# KiCad board flex_right_mod.kicad_pcb
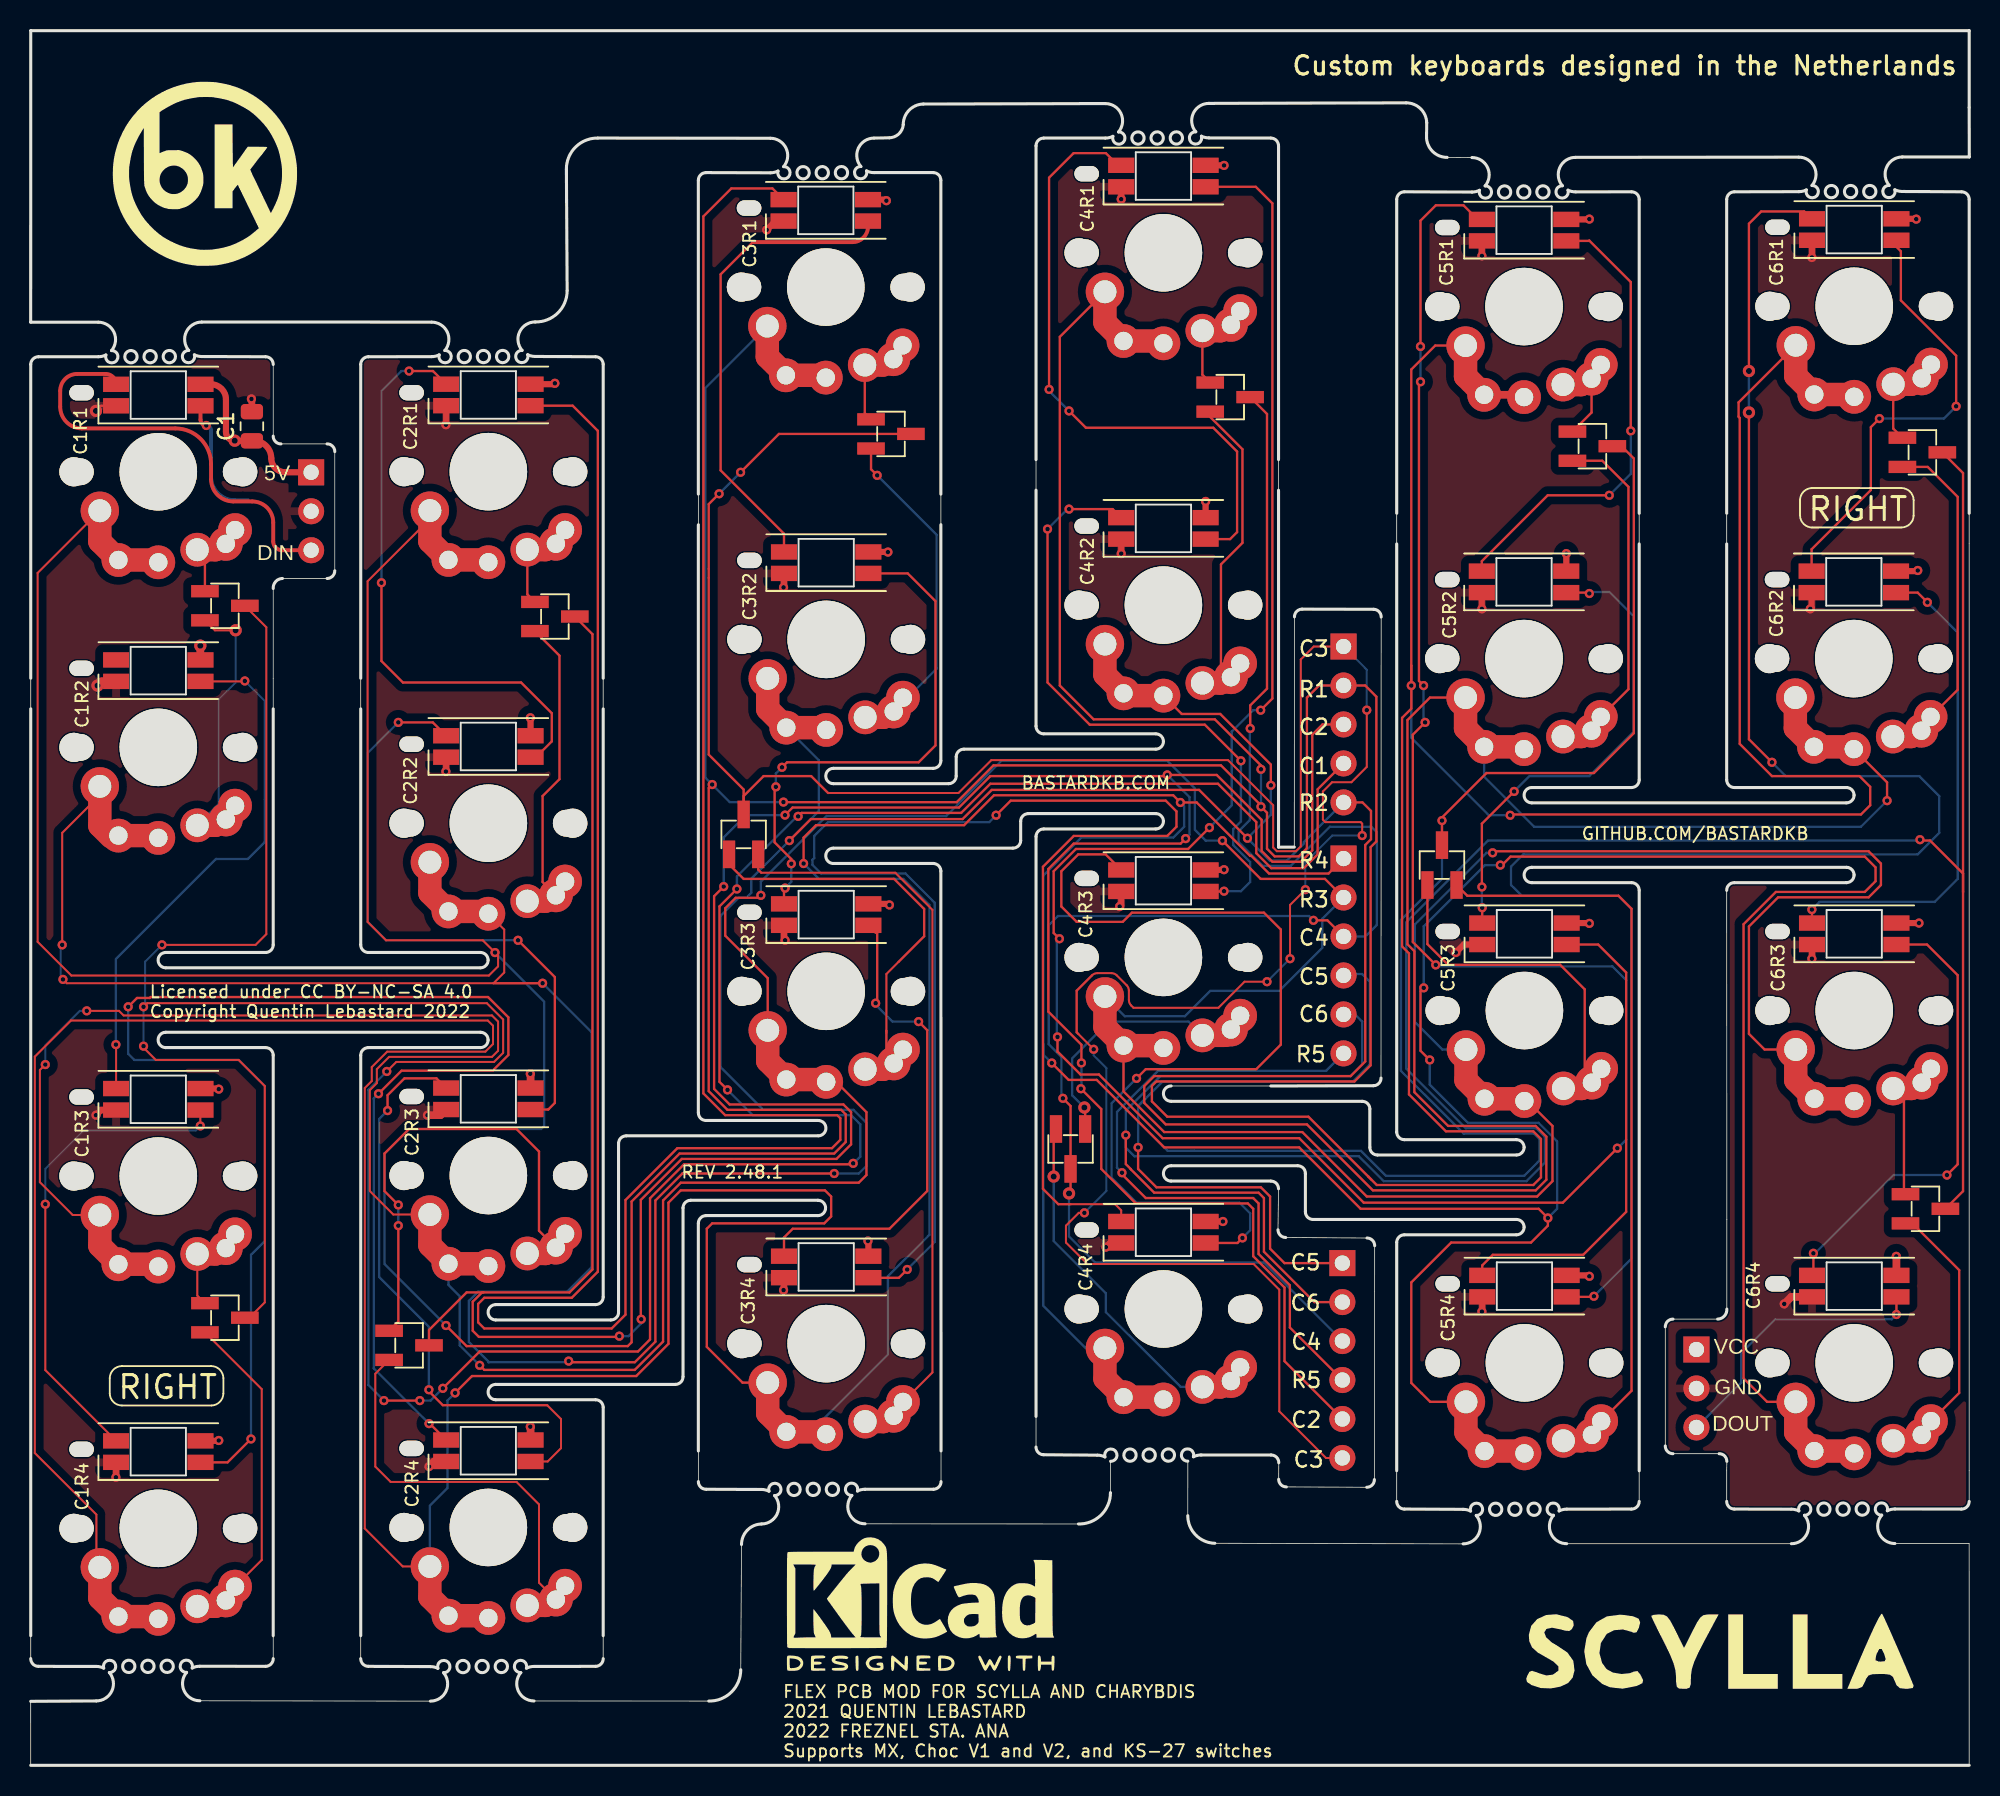
[diagram p0: board, top side]
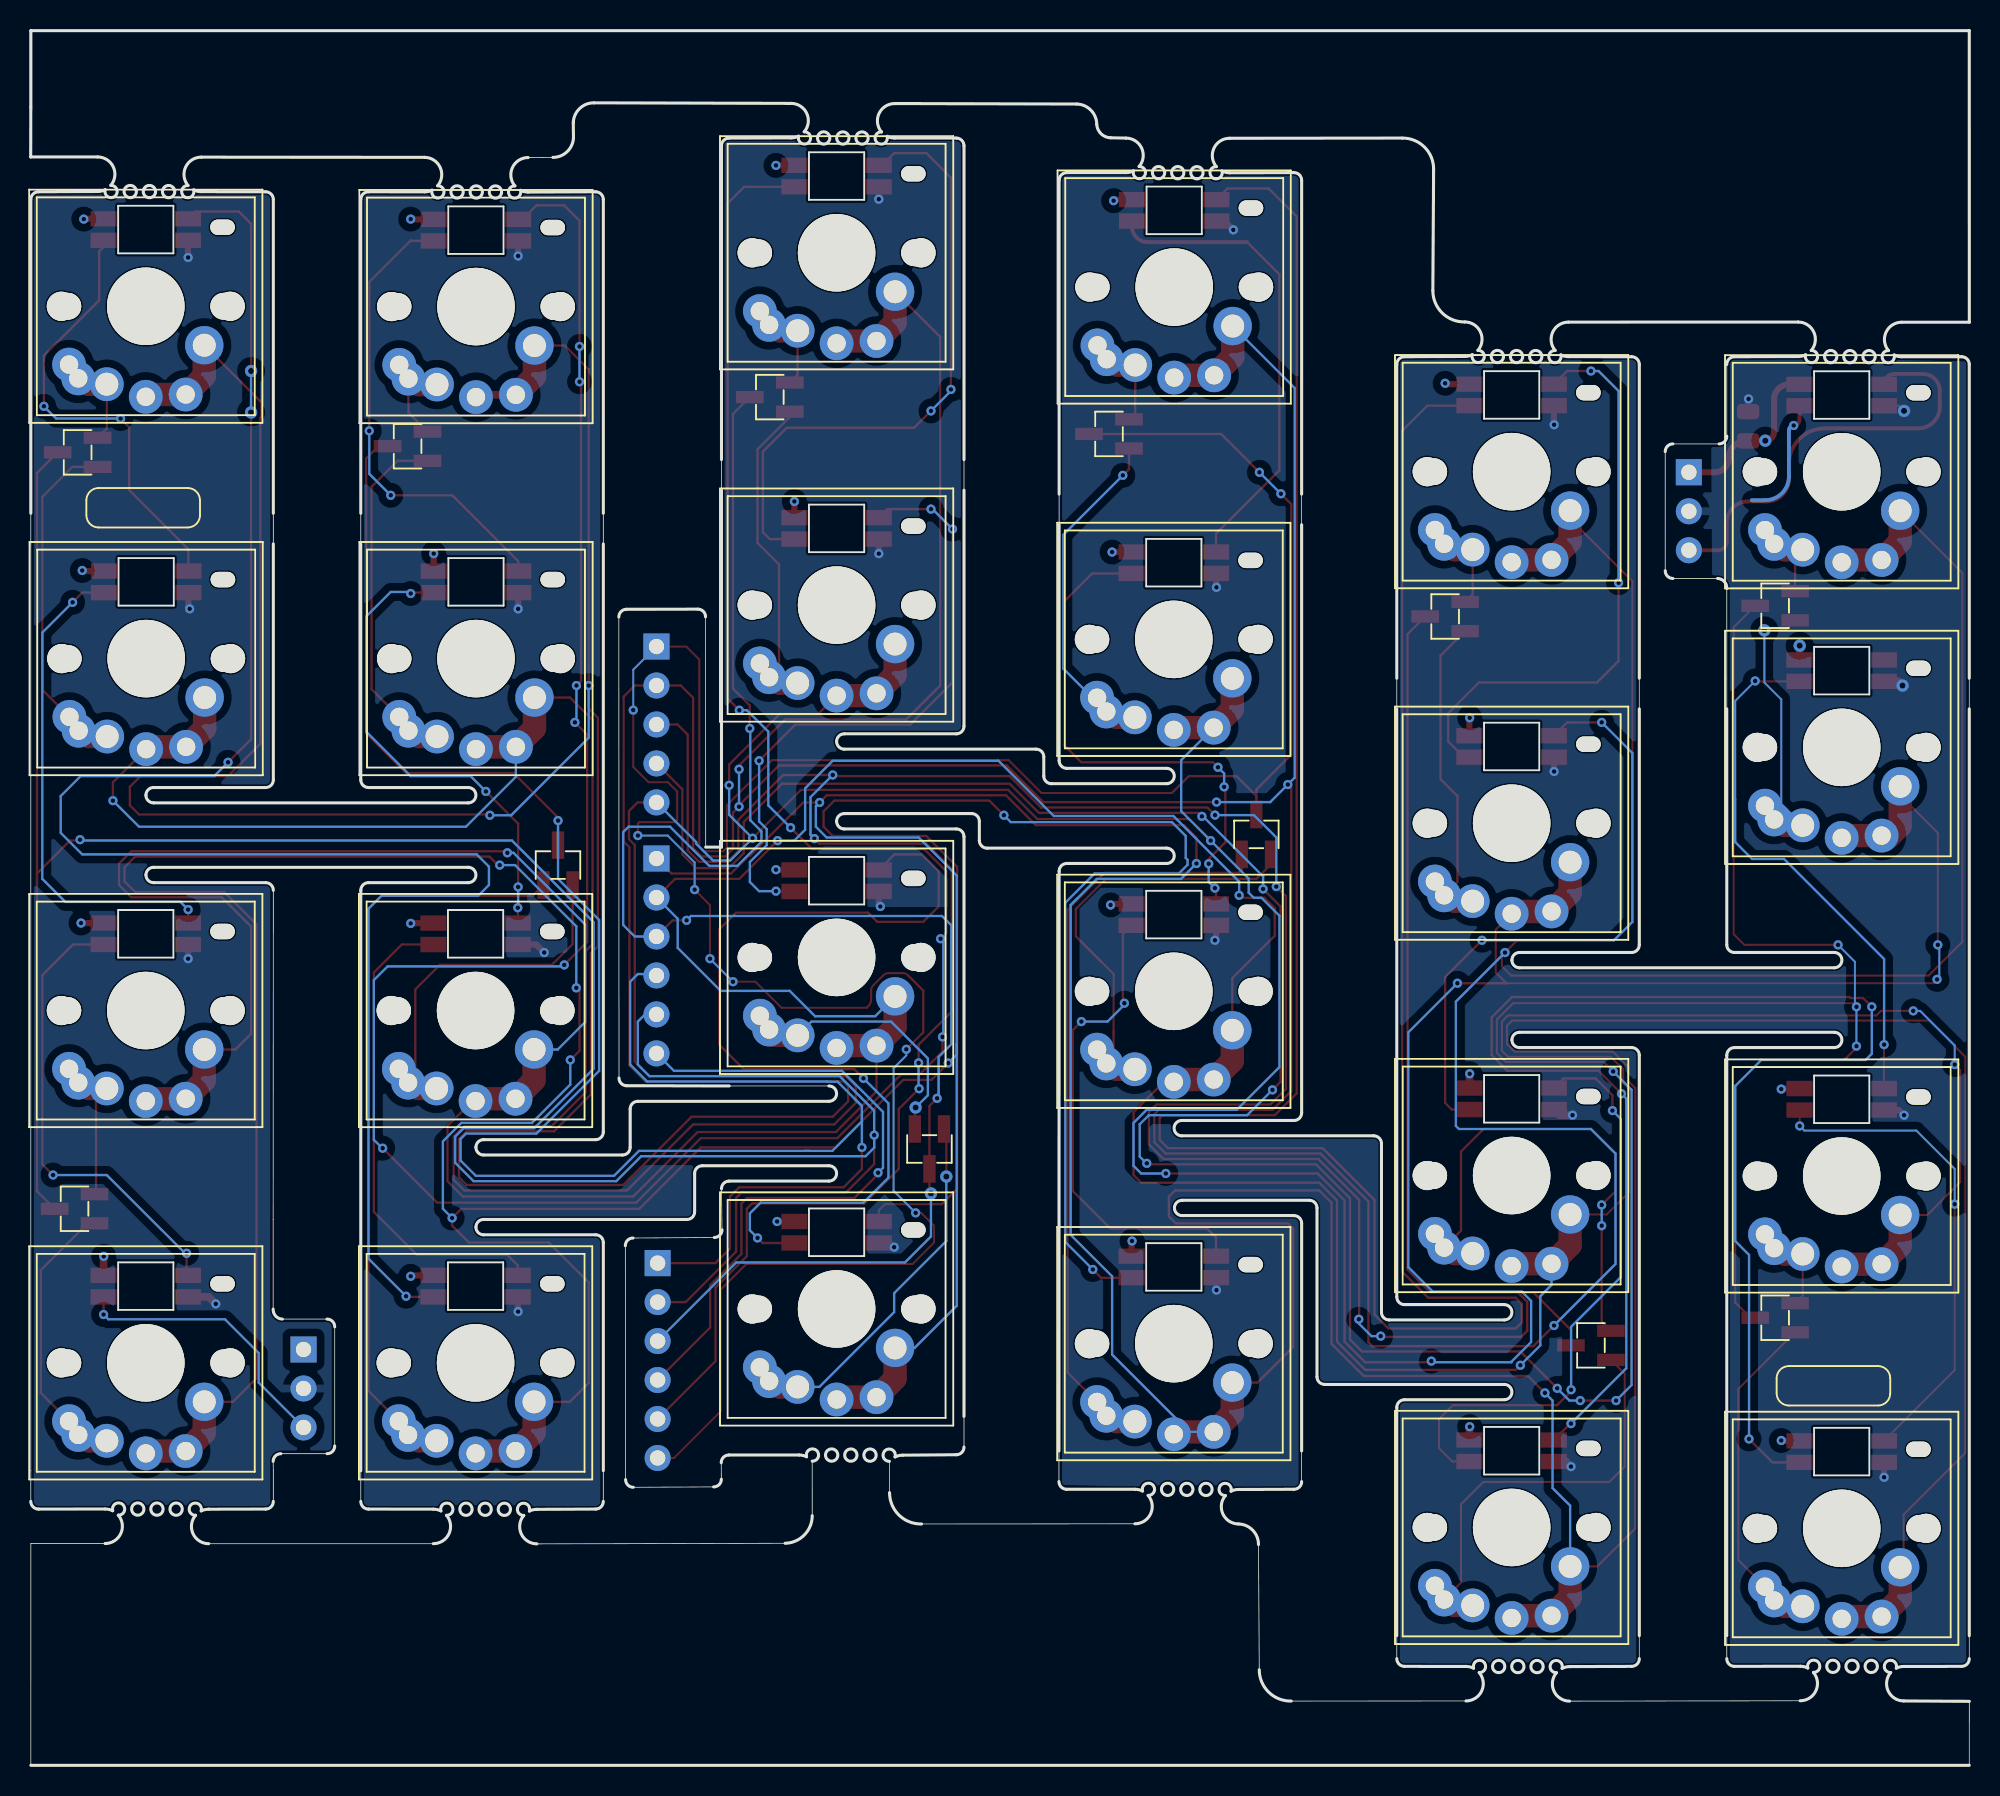
[diagram p1: board, bottom side, seen from below]

Outline 126.31 x 113.05 mm; copper layers: Top, In1.Cu, In2.Cu, Bottom. Coordinates in mm from the lower left corner of the outline.
Outline path: circle c6.39,6.45 r0.4 ; circle c6.53,91.8 r0.4 ; circle c7.64,6.45 r0.4 ; circle c7.78,91.81 r0.4 ; circle c8.3,38.39 r2.2 ; circle c8.3,84.3 r2.2 ; circle c8.3,15.45 r2.2 ; circle c8.31,66.34 r2.2 ; circle c8.89,6.45 r0.4 ; circle c9.03,91.81 r0.4 ; circle c28.16,6.44 r0.4 ; circle c28.25,91.81 r0.4 ; circle c29.41,6.44 r0.4 ; circle c29.5,91.81 r0.4 ; circle c29.8,84.3 r2.2 ; circle c29.8,61.35 r2.2 ; circle c29.8,15.45 r2.2 ; circle c29.81,38.4 r2.2 ; circle c30.66,6.44 r0.4 ; circle c30.75,91.81 r0.4 ; circle c49.73,17.98 r0.4 ; circle c50.33,103.79 r0.4 ; circle c50.98,17.98 r0.4 ; circle c51.58,103.79 r0.4 ; circle c51.8,96.3 r2.2 ; circle c51.8,73.35 r2.2 ; circle c51.8,50.4 r2.2 ; circle c51.8,27.45 r2.2 ; circle c52.23,17.99 r0.4 ; circle c52.83,103.8 r0.4 ; circle c71.62,20.22 r0.4 ; circle c72.14,106.05 r0.4 ; circle c72.87,20.22 r0.4 ; circle c73.39,106.06 r0.4 ; circle c73.8,98.55 r2.2 ; circle c73.8,75.6 r2.2 ; circle c73.8,52.65 r2.2 ; circle c73.8,29.7 r2.2 ; circle c74.12,20.22 r0.4 ; circle c74.64,106.06 r0.4 ; circle c95.45,16.69 r0.4 ; circle c96.03,102.54 r0.4 ; circle c96.7,16.69 r0.4 ; circle c97.28,102.54 r0.4 ; circle c97.3,95.05 r2.2 ; circle c97.3,72.1 r2.2 ; circle c97.3,49.15 r2.2 ; circle c97.3,26.2 r2.2 ; circle c97.95,16.69 r0.4 ; circle c98.53,102.54 r0.4 ; circle c116.83,16.7 r0.4 ; circle c117.33,102.56 r0.4 ; circle c118.08,16.7 r0.4 ; circle c118.58,102.56 r0.4 ; circle c118.8,95.05 r2.2 ; circle c118.8,72.1 r2.2 ; circle c118.8,49.15 r2.2 ; circle c118.8,26.2 r2.2 ; circle c119.33,16.7 r0.4 ; circle c119.83,102.57 r0.4 ; 0,94.05 4.4,94.05 arc(5.42,93.4) 5.27,92.2 arc(5.53,91.49) 4.9,91.91 arc(4.66,91.83) 4.41,91.8 0.5,91.8 arc(0.15,91.65) 0,91.3 0,68.85 0,6.95 arc(0.15,6.6) 0.5,6.45 4.27,6.44 arc(4.52,6.42) 4.76,6.33 arc(5.39,6.76) 5.13,6.05 arc(5.29,4.85) 4.27,4.19 0,4.17 0,0 126.3,0 126.3,14.45 121.46,14.45 arc(120.44,15.1) 120.6,16.3 arc(120.34,17.02) 120.97,16.59 arc(121.21,16.68) 121.46,16.7 125.8,16.7 arc(126.16,16.85) 126.3,17.2 126.3,102.05 arc(126.16,102.4) 125.8,102.55 121.95,102.57 arc(121.7,102.6) 121.46,102.68 arc(120.83,102.25) 121.09,102.97 arc(120.93,104.17) 121.95,104.82 126.31,104.82 126.3,108.05 126.3,113.05 0,113.05 0,94.05 ; 8.8,52.97 15.3,52.97 arc(15.66,53.12) 15.8,53.47 15.8,68.85 15.8,76.7 arc(15.96,77.15) 16.4,77.35 19.31,77.35 arc(19.67,77.5) 19.81,77.85 19.81,85.62 arc(19.67,85.97) 19.31,86.12 16.3,86.12 arc(15.95,86.27) 15.8,86.62 15.8,91.3 arc(15.66,91.65) 15.3,91.8 11.16,91.81 arc(10.9,91.84) 10.67,91.92 arc(10.04,91.49) 10.3,92.21 arc(10.13,93.41) 11.15,94.06 26.12,94.06 arc(27.14,93.41) 26.98,92.21 arc(27.25,91.49) 26.62,91.92 arc(26.38,91.84) 26.13,91.81 22,91.8 arc(21.65,91.65) 21.5,91.3 21.5,68.85 21.5,53.47 arc(21.65,53.12) 22,52.97 29.3,52.97 arc(29.66,52.83) 29.8,52.47 arc(29.66,52.12) 29.3,51.97 8.8,51.97 arc(8.3,52.47) 8.8,52.97 ; 8.8,46.78 arc(8.3,47.27) 8.8,47.77 29.3,47.77 arc(29.66,47.63) 29.8,47.27 arc(29.66,46.92) 29.3,46.77 22,46.77 arc(21.65,46.63) 21.5,46.27 21.5,6.95 arc(21.65,6.6) 22,6.45 26.04,6.43 arc(26.29,6.4) 26.53,6.32 arc(27.16,6.75) 26.9,6.03 arc(27.06,4.84) 26.04,4.18 11.02,4.21 arc(10,4.86) 10.16,6.06 arc(9.89,6.77) 10.52,6.34 arc(10.76,6.43) 11.01,6.46 15.3,6.45 arc(15.66,6.6) 15.8,6.95 15.8,46.27 arc(15.66,46.63) 15.3,46.77 8.8,46.77 ; 30.3,30.03 36.8,30.02 arc(37.16,30.17) 37.3,30.52 37.3,70.85 37.3,91.3 arc(37.16,91.65) 36.8,91.8 32.87,91.82 arc(32.62,91.85) 32.38,91.93 arc(31.75,91.5) 32.01,92.22 arc(31.85,93.42) 32.87,94.07 arc(34.34,94.65) 34.95,96.11 34.9,104.03 arc(35.5,105.47) 36.95,106.05 48.2,106.04 arc(49.22,105.39) 49.06,104.19 arc(49.32,103.47) 48.69,103.9 arc(48.45,103.82) 48.2,103.79 44,103.8 arc(43.65,103.65) 43.5,103.3 43.5,80.85 43.5,42.52 arc(43.65,42.17) 44,42.03 51.31,42.02 arc(51.81,41.52) 51.31,41.02 38.8,41.02 arc(38.45,40.88) 38.3,40.52 38.3,29.53 arc(38.16,29.17) 37.8,29.03 30.3,29.02 arc(29.8,29.53) 30.3,30.03 ; 30.3,23.83 arc(29.8,24.33) 30.3,24.83 42,24.83 arc(42.36,24.97) 42.5,25.33 42.5,36.32 arc(42.65,36.68) 43,36.82 51.29,36.82 arc(51.79,36.32) 51.29,35.82 44,35.82 arc(43.65,35.68) 43.5,35.32 43.5,18.49 arc(43.65,18.14) 44,17.99 47.61,17.98 arc(47.86,17.95) 48.1,17.87 arc(48.73,18.3) 48.47,17.58 arc(48.63,16.38) 47.61,15.73 arc(46.69,15.32) 46.31,14.39 46.26,6.23 arc(45.65,4.77) 44.18,4.19 32.79,4.19 arc(31.77,4.84) 31.93,6.04 arc(31.67,6.76) 32.3,6.33 arc(32.54,6.42) 32.79,6.44 36.8,6.45 arc(37.16,6.6) 37.3,6.95 37.3,23.33 arc(37.16,23.68) 36.8,23.83 30.3,23.83 ; 52.3,64.97 58.8,64.97 arc(59.16,65.12) 59.3,65.47 59.3,103.3 arc(59.16,103.65) 58.8,103.8 54.95,103.8 arc(54.7,103.83) 54.46,103.91 arc(53.83,103.48) 54.09,104.2 arc(53.93,105.4) 54.95,106.05 55.95,106.07 arc(56.57,106.33) 56.85,106.93 arc(57.23,107.86) 58.15,108.27 70.02,108.3 arc(71.04,107.65) 70.88,106.45 arc(71.14,105.74) 70.51,106.16 arc(70.27,106.08) 70.02,106.05 66,106.05 arc(65.65,105.9) 65.5,105.55 65.5,67.72 arc(65.65,67.37) 66,67.22 73.3,67.22 arc(73.66,67.08) 73.8,66.72 arc(73.66,66.37) 73.3,66.22 60.8,66.22 arc(60.45,66.08) 60.3,65.72 60.3,64.47 arc(60.16,64.12) 59.8,63.97 52.3,63.97 arc(51.8,64.47) 52.3,64.97 ; 52.3,58.77 arc(51.8,59.27) 52.3,59.77 64,59.77 arc(64.36,59.92) 64.5,60.27 64.5,61.52 arc(64.65,61.88) 65,62.02 73.3,62.02 arc(73.66,61.88) 73.8,61.52 arc(73.66,61.17) 73.3,61.02 66,61.02 arc(65.65,60.88) 65.5,60.52 65.5,20.74 arc(65.65,20.39) 66,20.24 69.5,20.21 arc(69.75,20.18) 69.99,20.1 arc(70.62,20.53) 70.36,19.81 70.35,17.77 arc(69.74,16.31) 68.27,15.73 54.36,15.74 arc(53.34,16.39) 53.5,17.59 arc(53.24,18.3) 53.87,17.88 arc(54.11,17.96) 54.36,17.99 58.81,17.99 arc(59.17,18.14) 59.31,18.49 59.31,20.49 59.3,58.27 arc(59.16,58.63) 58.8,58.77 52.3,58.77 ; 74.3,44.27 80.8,44.27 87.48,44.29 arc(87.83,44.44) 87.98,44.79 87.99,74.84 arc(87.84,75.19) 87.49,75.34 82.84,75.35 arc(82.49,75.2) 82.34,74.85 82.33,59.84 81.3,59.84 81.3,105.55 arc(81.16,105.9) 80.8,106.05 76.77,106.06 arc(76.52,106.09) 76.28,106.17 arc(75.65,105.74) 75.91,106.46 arc(75.75,107.66) 76.77,108.31 89.62,108.35 arc(90.55,107.97) 90.96,107.05 90.95,106.09 arc(91.35,105.17) 92.29,104.79 93.9,104.78 arc(94.92,104.13) 94.76,102.93 arc(95.03,102.22) 94.4,102.65 arc(94.16,102.56) 93.91,102.53 89.5,102.55 arc(89.15,102.4) 89,102.05 89,79.6 89,41.27 arc(89.15,40.92) 89.5,40.77 96.8,40.77 arc(97.16,40.63) 97.3,40.27 arc(97.16,39.92) 96.8,39.77 87.75,39.77 arc(87.4,39.92) 87.25,40.27 87.25,42.77 arc(87.11,43.13) 86.75,43.27 74.3,43.27 arc(73.8,43.77) 74.3,44.27 ; 74.3,38.07 arc(73.8,38.57) 74.3,39.07 82.55,39.07 arc(82.91,38.93) 83.05,38.57 83.05,36.07 arc(83.2,35.72) 83.55,35.57 96.8,35.57 arc(97.16,35.43) 97.3,35.07 arc(97.16,34.72) 96.8,34.57 89.5,34.57 arc(89.15,34.43) 89,34.07 89,17.2 arc(89.15,16.85) 89.5,16.7 93.33,16.68 arc(93.58,16.65) 93.82,16.57 arc(94.45,17) 94.19,16.28 arc(94.35,15.08) 93.33,14.43 77.15,14.47 arc(75.91,15.01) 75.39,16.27 75.39,19.82 arc(75.13,20.54) 75.76,20.11 arc(76,20.2) 76.25,20.22 80.82,20.22 arc(81.17,20.08) 81.32,19.72 81.31,18.64 arc(81.46,18.29) 81.81,18.14 87.05,18.12 arc(87.4,18.27) 87.55,18.62 87.57,33.86 arc(87.42,34.22) 87.07,34.36 81.77,34.4 arc(81.41,34.55) 81.27,34.9 81.3,37.57 arc(81.16,37.93) 80.8,38.07 74.3,38.07 ; 97.8,63.72 104.3,63.72 arc(104.66,63.87) 104.8,64.22 104.8,102.05 arc(104.66,102.4) 104.3,102.55 100.65,102.54 arc(100.4,102.57) 100.16,102.66 arc(99.53,102.23) 99.79,102.94 arc(99.63,104.14) 100.65,104.79 115.2,104.81 arc(116.22,104.16) 116.06,102.96 arc(116.32,102.24) 115.69,102.67 arc(115.45,102.59) 115.2,102.56 111,102.55 arc(110.65,102.4) 110.5,102.05 110.5,79.6 110.5,64.22 arc(110.65,63.87) 111,63.72 118.3,63.72 arc(118.66,63.58) 118.8,63.22 arc(118.66,62.87) 118.3,62.72 97.8,62.72 arc(97.3,63.22) 97.8,63.72 ; 97.8,57.52 arc(97.3,58.02) 97.8,58.52 118.3,58.52 arc(118.66,58.38) 118.8,58.02 arc(118.66,57.67) 118.3,57.52 111,57.52 arc(110.65,57.38) 110.5,57.02 110.51,35.58 110.51,29.73 arc(110.35,29.28) 109.91,29.08 107,29.08 arc(106.65,28.93) 106.5,28.58 106.5,20.81 arc(106.65,20.46) 107,20.31 110.01,20.31 arc(110.37,20.16) 110.51,19.81 110.5,19.2 110.5,17.2 arc(110.65,16.85) 111,16.7 114.71,16.69 arc(114.96,16.66) 115.2,16.58 arc(115.83,17.01) 115.57,16.29 arc(115.73,15.1) 114.71,14.44 100.08,14.44 arc(99.06,15.09) 99.22,16.29 arc(98.95,17.01) 99.58,16.58 arc(99.82,16.67) 100.07,16.69 104.3,16.7 arc(104.66,16.85) 104.8,17.2 104.8,57.02 arc(104.66,57.38) 104.3,57.52 97.8,57.52
Stack: Top 0.035mm / dielectric 0.1mm FR4 er 4.5 / In1.Cu 0.035mm / dielectric 0.24mm FR4 er 4.5 / In2.Cu 0.035mm / dielectric 0.1mm FR4 er 4.5 / Bottom 0.035mm

## Placement (name value [footprint] x y rotation side)
C1  C  [C_0805_2012Metric]  14.41 87.27 90 top
D1  D_BAV70  [TSOT-23_HandSoldering]  12.65 29.17 0 top
D2  SK6812MINI  [YS-SK6812MINI-E-bkb]  8.31 89.3 0 top
D3  SK6812MINI  [YS-SK6812MINI-E-bkb]  8.31 71.34 0 top
D4  SK6812MINI  [YS-SK6812MINI-E-bkb]  8.31 43.41 0 top
D5  SK6812MINI  [YS-SK6812MINI-E-bkb]  29.82 20.5 0 top
D7  SK6812MINI  [YS-SK6812MINI-E-bkb]  29.82 43.44 0 top
D9  D_BAV70  [TSOT-23_HandSoldering]  56.05 86.77 0 top
D10  D_BAV70  [TSOT-23_HandSoldering]  46.45 60.67 90 top
D11  D_BAV70  [TSOT-23_HandSoldering]  78.15 89.17 0 top
D12  D_BAV70  [TSOT-23_HandSoldering]  67.75 40.17 270 top
D13  D_BAV70  [TSOT-23_HandSoldering]  12.65 75.57 0 top
D14  D_BAV70  [TSOT-23_HandSoldering]  101.75 85.97 0 top
D15  D_BAV70  [TSOT-23_HandSoldering]  91.95 58.67 90 top
D16  D_BAV70  [TSOT-23_HandSoldering]  123.25 85.57 0 top
D17  D_BAV70  [TSOT-23_HandSoldering]  123.45 36.27 0 top
D18  SK6812MINI  [YS-SK6812MINI-E-bkb]  8.31 20.44 0 top
D19  SK6812MINI  [YS-SK6812MINI-E-bkb]  51.8 101.34 0 top
D21  SK6812MINI  [YS-SK6812MINI-E-bkb]  51.83 78.38 0 top
D23  SK6812MINI  [YS-SK6812MINI-E-bkb]  51.83 55.44 0 top
D25  SK6812MINI  [YS-SK6812MINI-E-bkb]  51.83 32.48 0 top
D31  D_BAV70  [TSOT-23_HandSoldering]  34.15 74.87 0 top
D32  D_BAV70  [TSOT-23_HandSoldering]  24.65 27.37 0 top
D33  SK6812MINI  [YS-SK6812MINI-E-bkb]  29.82 66.4 0 top
D35  SK6812MINI  [YS-SK6812MINI-E-bkb]  29.82 89.31 0 top
D37  SK6812MINI  [YS-SK6812MINI-E-bkb]  73.8 34.74 0 top
D39  SK6812MINI  [YS-SK6812MINI-E-bkb]  73.8 57.65 0 top
D41  SK6812MINI  [YS-SK6812MINI-E-bkb]  73.8 80.61 0 top
D43  SK6812MINI  [YS-SK6812MINI-E-bkb]  73.8 103.58 0 top
D45  SK6812MINI  [YS-SK6812MINI-E-bkb]  97.3 100.05 0 top
D47  SK6812MINI  [YS-SK6812MINI-E-bkb]  97.3 77.13 0 top
D49  SK6812MINI  [YS-SK6812MINI-E-bkb]  97.32 54.19 0 top
D51  SK6812MINI  [YS-SK6812MINI-E-bkb]  97.32 31.23 0 top
D53  SK6812MINI  [YS-SK6812MINI-E-bkb]  118.81 100.09 0 top
D55  SK6812MINI  [YS-SK6812MINI-E-bkb]  118.79 77.13 0 top
D57  SK6812MINI  [YS-SK6812MINI-E-bkb]  118.81 54.19 0 top
D59  SK6812MINI  [YS-SK6812MINI-E-bkb]  118.81 31.23 0 top
G***  -  [LOGO]  11.35 103.72 0 top
G***#2  -  [LOGO]  109.95 7.57 0 top
G***#3  -  [LOGO]  57.85 10.47 0 top
J1  Conn_01x06_Female  [PinHeader_1x06_P2.54mm_Vertical]  85.46 32.73 0 top
J2  Conn_01x05_Female  [PinHeader_1x05_P2.54mm_Vertical]  85.54 72.92 0 top
J3  Conn_01x03_Female  [PinHeader_1x03_P2.54mm_Vertical]  18.27 84.27 0 top
J4  Conn_01x06_Female  [PinHeader_1x06_P2.54mm_Vertical]  85.54 59.1 0 top
J5  Conn_01x03_Female  [PinHeader_1x03_P2.54mm_Vertical]  108.53 27.1 0 top
SW1  SW_Push  [SW_MX_KS_Choc-mod]  8.31 84.3 0 top
SW2  SW_Push  [SW_MX_KS_Choc-mod]  8.31 66.34 0 top
SW3  SW_Push  [SW_MX_KS_Choc-mod]  8.31 38.41 0 top
SW4  SW_Push  [SW_MX_KS_Choc-mod]  8.31 15.44 0 top
SW5  SW_Push  [SW_MX_KS_Choc-mod]  29.82 84.31 0 top
SW6  SW_Push  [SW_MX_KS_Choc-mod]  29.82 61.4 0 top
SW7  SW_Push  [SW_MX_KS_Choc-mod]  29.82 38.44 0 top
SW8  SW_Push  [SW_MX_KS_Choc-mod]  29.82 15.5 0 top
SW9  SW_Push  [SW_MX_KS_Choc-mod]  51.8 96.34 0 top
SW10  SW_Push  [SW_MX_KS_Choc-mod]  51.83 73.38 0 top
SW11  SW_Push  [SW_MX_KS_Choc-mod]  51.83 50.44 0 top
SW12  SW_Push  [SW_MX_KS_Choc-mod]  51.83 27.48 0 top
SW14  SW_Push  [SW_MX_KS_Choc-mod]  73.8 98.58 0 top
SW15  SW_Push  [SW_MX_KS_Choc-mod]  73.8 75.61 0 top
SW16  SW_Push  [SW_MX_KS_Choc-mod]  73.8 52.65 0 top
SW17  SW_Push  [SW_MX_KS_Choc-mod]  73.8 29.74 0 top
SW19  SW_Push  [SW_MX_KS_Choc-mod]  97.3 95.07 0 top
SW20  SW_Push  [SW_MX_KS_Choc-mod]  97.3 72.13 0 top
SW21  SW_Push  [SW_MX_KS_Choc-mod]  97.32 49.19 0 top
SW22  SW_Push  [SW_MX_KS_Choc-mod]  97.32 26.23 0 top
SW23  SW_Push  [SW_MX_KS_Choc-mod]  118.81 95.09 0 top
SW24  SW_Push  [SW_MX_KS_Choc-mod]  118.79 72.13 0 top
SW25  SW_Push  [SW_MX_KS_Choc-mod]  118.81 49.19 0 top
SW26  SW_Push  [SW_MX_KS_Choc-mod]  118.81 26.23 0 top

## Library data of the parts
C1 = -: Description: Unpolarized capacitor
D1 D9-D17 D31 D32 = -: Description: Dual switching diode, common cathode on pin 3; LCSC: C68978
D2-D5 D7 D18 D19 D21 D23 D25 D33 D35 D37 D39 D41 D43 D45 D47 D49 D51 D55 D57 D59 = -: Description: RGB LED with integrated controller
D53 = -: Description: RGB LED with integrated controller; Field4: G; Field5: I; Field6: O; Field7: V
J1 J4 = -: Description: Generic connector, single row, 01x06, script generated (kicad-library-utils/schlib/autogen/connector/)
J2 = -: Description: Generic connector, single row, 01x05, script generated (kicad-library-utils/schlib/autogen/connector/)
J3 J5 = -: Description: Generic connector, single row, 01x03, script generated (kicad-library-utils/schlib/autogen/connector/)
SW1-SW12 SW14-SW17 SW19-SW26 = -: Description: Push button switch, generic, two pins

## Footprints (pads in the part's own frame, mm; a bottom-side part is the same pattern mirrored in y, then rotated)
C_0805_2012Metric
  rrect 1x1.45 smd: 1(-0.95,0) 2(0.95,0)
PinHeader_1x03_P2.54mm_Vertical
  rect 1.7x1.7 hole 1: 1(0,0)
  oval 1.7x1.7 hole 1: 2(0,-2.54) 3(0,-5.08)
PinHeader_1x05_P2.54mm_Vertical
  rect 1.7x1.7 hole 1: 1(0,0)
  oval 1.7x1.7 hole 1: 2(0,-2.54) 3(0,-5.08) 4(0,-7.62) 5(0,-10.16)
PinHeader_1x06_P2.54mm_Vertical
  rect 1.7x1.7 hole 1: 1(0,0)
  oval 1.7x1.7 hole 1: 2(0,-2.54) 3(0,-5.08) 4(0,-7.62) 5(0,-10.16) 6(0,-12.7)
SW_MX_KS_Choc-mod
  round 1.9 hole 1.9 unplated: (-5.5,0) (5.5,0)
  round 1.75 hole 1.75 unplated: (-5.08,0) (5.08,0)
  oval 1.6x1 hole 1.6x1 unplated: (-5,5.15)
  round 1.55 smd: (-3.81,-2.54) (-2.6,-5.75) (2.54,-5.08) (4.4,-4.7)
  round 5.05 hole 5.05 unplated: (0,0)
  round 1.25 smd: (0,-5.9) (5,-3.8)
  round 2.5 hole 1.5: 1(-3.81,-2.54)
  round 2.2 hole 1.2: 1(-2.6,-5.75) 1(0,-5.9) 2(4.4,-4.7) 2(5,-3.8)
  round 2.2 hole 1.5: 2(2.54,-5.08)
TSOT-23_HandSoldering
  rect 1.8x0.8 smd: 1(-1.3,-0.95) 2(-1.3,0.95) 3(1.3,0)
YS-SK6812MINI-E-bkb
  rect 1.7x1 smd: 1(2.75,-0.7) 2(-2.75,-0.7) 3(-2.75,0.7) 4(2.75,0.7)

## Nets
Gnd: C1.2 D2.2 D3.2 D4.2 D5.2 D7.2 D18.2 D19.2 D21.2 D23.2 D25.2 D33.2 D35.2 D37.2 D39.2 D41.2 D43.2 D45.2 D47.2 D49.2 D51.2 D53.2 D55.2 D57.2 D59.2 J3.2 J5.2
Vcc: C1.1 D2.4 D3.4 D4.4 D5.4 D7.4 D18.4 D19.4 D21.4 D23.4 D25.4 D33.4 D35.4 D37.4 D39.4 D41.4 D43.4 D45.4 D47.4 D49.4 D51.4 D53.4 D55.4 D57.4 D59.4 J3.1 J5.1
col1: D1.3 D13.3 J2.4
col2: D31.3 D32.3 J1.5 J2.3
col3: D9.3 D10.3 J1.6 J2.1
col4: D11.3 D12.3 J1.3 J4.3
col5: D14.3 D15.3 J1.1 J4.4
col6: D16.3 D17.3 J1.2 J4.5
Din: D2.3 J3.3
Dout: D59.1 J5.3
row1: J2.2 SW1.1 SW5.1 SW9.1 SW14.1 SW19.1 SW23.1
row2: J2.5 SW2.1 SW6.1 SW10.1 SW15.1 SW20.1 SW24.1
row3: J4.2 SW3.1 SW7.1 SW11.1 SW16.1 SW21.1 SW25.1
row4: J4.1 SW4.1 SW8.1 SW12.1 SW17.1 SW22.1 SW26.1
row5: J1.4 J4.6
Net-(D1-A): D1.2 SW3.2
Net-(D1-A)_1: D1.1 SW4.2
Net-(D2-DOUT): D2.1 D3.3
Net-(D3-DOUT): D3.1 D4.3
Net-(D5-DOUT): D5.1 D7.3
Net-(D9-A): D9.1 SW10.2
Net-(D9-A)_1: D9.2 SW9.2
Net-(D10-A): D10.1 SW12.2
Net-(D10-A)_1: D10.2 SW11.2
Net-(D11-A): D11.1 SW15.2
Net-(D11-A)_1: D11.2 SW14.2
Net-(D12-A): D12.1 SW17.2
Net-(D12-A)_1: D12.2 SW16.2
Net-(D13-A): D13.2 SW1.2
Net-(D13-A)_1: D13.1 SW2.2
Net-(D14-A): D14.2 SW19.2
Net-(D14-A)_1: D14.1 SW20.2
Net-(D15-A): D15.1 SW22.2
Net-(D15-A)_1: D15.2 SW21.2
Net-(D16-A): D16.1 SW24.2
Net-(D16-A)_1: D16.2 SW23.2
Net-(D17-A): D17.2 SW25.2
Net-(D17-A)_1: D17.1 SW26.2
Net-(D18-DIN): D4.1 D18.3
Net-(D18-DOUT): D5.3 D18.1
Net-(D19-DIN): D19.3 D35.1
Net-(D19-DOUT): D19.1 D21.3
Net-(D21-DOUT): D21.1 D23.3
Net-(D23-DOUT): D23.1 D25.3
Net-(D25-DOUT): D25.1 D37.3
Net-(D31-A): D31.1 SW6.2
Net-(D31-A)_1: D31.2 SW5.2
Net-(D32-A): D32.2 SW7.2
Net-(D32-A)_1: D32.1 SW8.2
Net-(D33-DIN): D7.1 D33.3
Net-(D33-DOUT): D33.1 D35.3
Net-(D37-DOUT): D37.1 D39.3
Net-(D39-DOUT): D39.1 D41.3
Net-(D41-DOUT): D41.1 D43.3
Net-(D43-DOUT): D43.1 D45.3
Net-(D45-DOUT): D45.1 D47.3
Net-(D47-DOUT): D47.1 D49.3
Net-(D49-DOUT): D49.1 D51.3
Net-(D51-DOUT): D51.1 D53.3
Net-(D53-DOUT): D53.1 D55.3
Net-(D55-DOUT): D55.1 D57.3
Net-(D57-DOUT): D57.1 D59.3

## Via types
v1: diameter 0.6, hole 0.3, Top to Bottom, 171 vias
v2: diameter 0.8, hole 0.4, Top to Bottom, 10 vias
